# Allegro board PSU-Hirose-6Layers-Sep1.brd (continued)
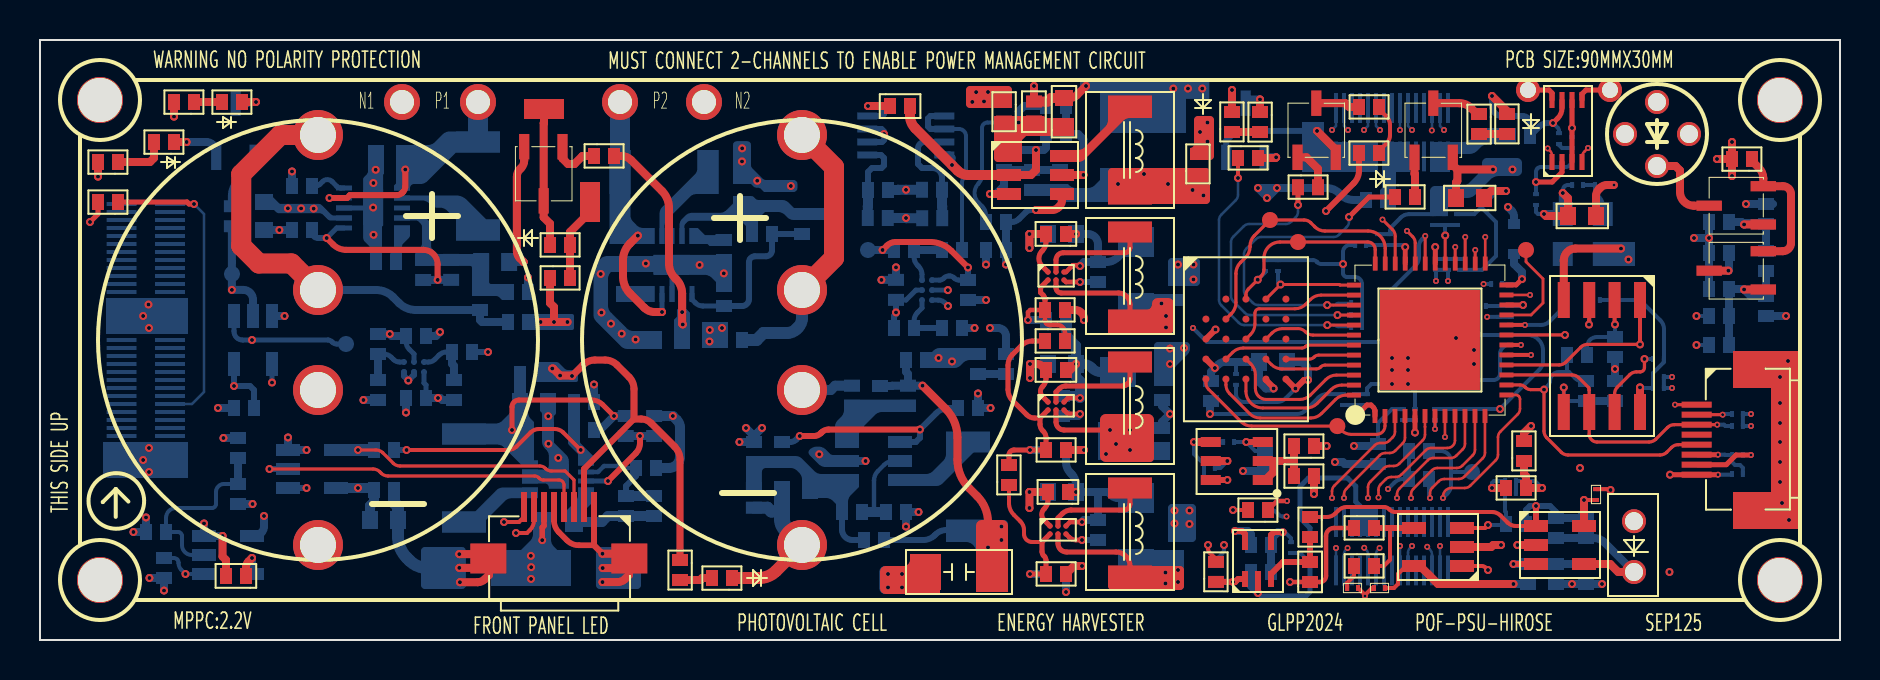
[diagram p0: board, top side]
## Routing (per net, layer and track width the routed paths; a pad name or vN(x,y) marks a point on that pad's centre or on a via; arc(x,y) is an arc through that point) (continued)
N824564: length 2.7
  BOTTOM w0.25: U18.A1 17.98,13.9 arc(17.81,13.93) 17.68,14.02 17.56,14.14 arc(17.38,14.26) 17.18,14.3 R76.2
  BOTTOM w0.4: R76.2 C54.2
N824724: length 3
  BOTTOM w0.25: U18.C1 19.43,13.9 arc(19.6,13.93) 19.74,14.03 19.95,14.24 arc(20.13,14.36) 20.33,14.4 R79.1
  BOTTOM w0.4: R85.1 20.7,13.71 20.6,13.81 R79.1
N834143: length 1.6
  TOP w0.4: R27.2 33.01,3 33.11,3.1 D7.2
N943794: length 17
  TOP w0.2: U10.1 73.8,5.7 arc(73.57,5.75) 73.37,5.88 73.03,6.22 arc(72.83,6.35) 72.6,6.4 67.76,6.4 arc(67.61,6.43) 67.49,6.51 67.46,6.54 arc(67.34,6.62) 67.19,6.65 65.34,6.65 arc(65.11,6.6) 64.91,6.47 64.77,6.33 arc(64.57,6.2) 64.34,6.15 R25.1
  TOP w0.3: U10.1 v1(74.8,6.7)
  BOTTOM w0.3: C72.2 74.3,6.5 74.5,6.7 v1(74.8,6.7) 75.5,6.7 75.8,6.4 C73.1
  BOTTOM w0.4: R119.1 C73.1
N943802: length 7.2
  TOP w0.4: U10.4 78.51,3.8 78.91,3.4 PD1.1
  BOTTOM w0.4: C73.2 R119.2 77.69,5.1 arc(77.98,5.04) 78.22,4.88 PD1.1
N950397: length 4.2
  TOP w0.4: v1(75.1,7.6) R22.2 74.3,8.19 74.2,8.29 R19.1
  BOTTOM w0.2: R113.2 73.8,7.36 C65.1 74.75,7.95 v1(75.1,7.6)
N953867: length 17.1
  TOP w0.2: U11.1 72.08,3.7 arc(72.19,3.68) 72.29,3.61 v1(72.4,3.5)
  TOP w0.22: R24.1 64.7,5.6 arc(64.42,5.48) 64.3,5.2 64.3,3.2 arc(64.21,2.99) 64,2.9 C13.1 v1(62.5,2.9)
  SIG1 w0.22: v1(72.4,3.5) 67.86,3.5 arc(67.71,3.47) 67.59,3.39 67.21,3.01 arc(67.09,2.93) 66.94,2.9 v1(62.5,2.9)
N953891: length 4.5
  TOP w0.2: R26.2 67.19,3.7 67.5,4.01 67.5,5.6
  TOP w0.3: R24.2 U11.4
N953940: length 1.2
  TOP w0.2: C16.2 65.36,2.86 65.7,3.2 R26.1
N957540: length 3.7
  TOP w0.3: U12.3 61.55,3.3 62.15,3.9 C13.2 R25.2
N961187: length 4.1
  TOP w0.3: v1(62.14,5.39) 62.12,5.4 61.7,5.4 61.55,5.25 U12.4
  BOTTOM w0.2: C76.2 62.55,5.09 62.25,5.39 v1(62.14,5.39)
  BOTTOM w0.4: v1(62.14,5.39) 61.89,5.39 61.55,5.05 R122.1 R126.2
N1037075: length 2.7
  TOP w0.4: D4.2 5.7,24.1 5.5,23.9 R9.1
N1120293: length 4.2
  TOP w0.4: LD1.2 81.78,23.7 82,23.48 82,22.4 arc(82.2,21.92) 82.69,21.71 Q4.3
N1120309: length 7
  TOP w0.4: Q5.1 v1(85.2,17.53)
  BOTTOM w0.4: R53.1 R66.1 85.53,17.2 v1(85.2,17.53) 85.18,17.55 R58.2 R70.2 R77.2
N1120313: length 1.9
  TOP w0.4: Q5.3 v1(84.42,18.46)
  BOTTOM w0.4: v1(84.42,18.46) 84.45,18.49 R52.2
N1120345: length 4.3
  TOP w0.4: v1(85.2,20.78) Q4.1
  BOTTOM w0.4: R45.2 85.08,20.9 v1(85.2,20.78) 85.28,20.85 86.25,20.85 R39.1 R53.2
N1120473: length 7.2
  TOP w0.4: Q5.2 87.14,19.44 arc(87.43,19.56) 87.55,19.85 87.55,22.29 arc(87.43,22.57) 87.15,22.69 Q4.2 86.17,23.08 arc(86.11,23.36) 85.95,23.6 85.6,23.95 R8.1
N1125946: length 2.1
  TOP w0.24: 68.75,11.2 v1(68.75,10.37)
  BOTTOM w0.2: v1(68.75,10.37) 68.75,10.37 C61.1 FB5.1
N1126010: length 2.6
  TOP w0.24: U5.30 v1(69.76,19.65)
  BOTTOM w0.2: FB2.1 C37.1 C38.1 69.8,19.61 v1(69.76,19.65)
N1126482: length 3.1
  TOP w0.15: U5.29 v1(70.26,20.23)
  BOTTOM w0.2: C27.1 R43.1 ; C27.1 C28.1 ; C27.1 70.25,20.24 v1(70.26,20.23)
N1126654: length 3.4
  TOP w0.24: v1(74.1,18.05) 73.81,17.75 U5.24
  BOTTOM w0.2: v1(74.1,18.05) 73.85,17.8 C41.1
  BOTTOM w0.4: v1(74.1,18.05) 74.1,18.4 73.7,18.8 D8.1
N1128601: length 6.8
  TOP w0.3: U4.D1 v1(58.74,13.6) ; U4.E4 61.3,13 61.68,12.62 v1(61.68,12.58)
  BOTTOM w0.2: C52.1 59.8,13.9
  BOTTOM w0.4: L8.1 58.55,13.41 v1(58.74,13.6) 58.92,13.78 arc(59.06,13.87) 59.22,13.9 C49.1 60.95,12.92 61.29,12.58 v1(61.68,12.58)
N1140972: length 9.6
  BOTTOM w0.2: U22.2 7.59,4.25 arc(7.24,4.39) 7.1,4.74 7.1,5.2 arc(7.04,5.34) 6.9,5.4 C75.2 6.3,6.1 arc(6.45,6.45) 6.8,6.6 8.6,6.6 arc(8.74,6.66) 8.8,6.8 8.8,7.4 arc(8.92,7.68) 9.2,7.8 R114.2
  BOTTOM w0.4: R102.1 R114.2
N1147788: length 1.4
  TOP w0.4: D2.1 R4.2
N1147792: length 2.7
  TOP w0.2: R2.2 66.95,26.55 67.32,26.18 arc(67.45,25.98) 67.5,25.75 67.5,25.25 arc(67.45,25.02) 67.32,24.82 66.95,24.45 D5.1
N1147796: length 1.4
  TOP w0.4: R5.2 D3.1
N1147848: length 1.4
  TOP w0.4: R4.1 v1(61,27.03)
  BOTTOM w0.4: v1(61,27.03) 60.47,27.03 60.28,26.84
N1147852: length 2.2
  TOP w0.4: Q1.3 65.27,26.84 65.46,26.65 R2.1
N1147856: length 2.5
  TOP w0.4: R5.1 71.85,26.3 71.55,26.6 arc(71.28,26.78) 70.97,26.84 Q2.3
N1147930: length 1.5
  TOP w0.4: R7.2 61.77,24.1 v1(61.81,24.13)
  BOTTOM w0.4: Q6.1 v1(61.81,24.13)
N1147938: length 2.2
  TOP w0.4: R11.2 63.9,23.56 63.32,24.13 Q1.1
N1147946: length 2
  TOP w0.4: Q2.1 68.73,23.31 68.75,23.28 R12.2
N1161020: length 73.8
  SIG1 w0.127: v2(67.4,7.55) 67.26,7.69 arc(67.14,7.77) 66.99,7.8 61.56,7.8 arc(61.41,7.77) 61.29,7.69 61.01,7.41 arc(60.93,7.29) 60.9,7.14 60.9,6.2 arc(60.84,6.06) 60.7,6 58.76,6 arc(58.61,5.97) 58.49,5.89 57.61,5.01 arc(57.49,4.93) 57.34,4.9 56.4,4.9 arc(56.25,4.93) 56.13,5.01 55.74,5.4 arc(55.71,5.44) 55.7,5.49 arc(55.67,5.64) 55.59,5.76 54.86,6.49 arc(54.74,6.57) 54.59,6.6 51.16,6.6 arc(51.01,6.63) 50.89,6.71 50.61,6.99 arc(50.53,7.11) 50.5,7.26 50.5,7.84 arc(50.47,7.99) 50.39,8.11 50.16,8.34 arc(50.04,8.42) 49.89,8.45 47.86,8.45 arc(47.71,8.42) 47.59,8.34 46.51,7.26 arc(46.39,7.18) 46.24,7.15 43.21,7.15 arc(43.06,7.12) 42.94,7.04 42.89,6.99 arc(42.85,6.96) 42.8,6.95 36.64,6.95 arc(36.23,6.87) 35.89,6.64 35.31,6.06 arc(35.19,5.98) 35.04,5.95 25.36,5.95 arc(25.21,5.92) 25.09,5.84 23.76,4.51 arc(23.64,4.43) 23.49,4.4 22.71,4.4 arc(22.56,4.43) 22.44,4.51 21.16,5.79 arc(21.04,5.87) 20.89,5.9 19.41,5.9 arc(19.26,5.87) 19.14,5.79 18.76,5.41 arc(18.68,5.29) 18.65,5.14 18.65,3.56 arc(18.62,3.41) 18.54,3.29 18.11,2.86 arc(17.99,2.78) 17.84,2.75 8.81,2.75 arc(8.66,2.78) 8.54,2.86 8.21,3.19 arc(8.09,3.27) 7.94,3.3 v1(7.27,3.3)
  BOTTOM w0.2: U22.1 v1(7.27,3.3) 7.07,3.5 arc(6.96,3.66) 6.93,3.85 6.93,3.88 arc(6.91,3.96) 6.87,4.02 arc(6.78,4.08) 6.68,4.1 R124.1 ; v2(67.4,7.55) 67.72,7.87 arc(67.92,8) 68.15,8.05 R111.1 R105.1
N1296793: length 4.8
  TOP w0.3: U10.3 v1(73.67,3.8)
  BOTTOM w0.4: v1(73.67,3.8) R129.1 C80.2 R127.2
N1325635: length 3.9
  TOP w0.2: U11.3 72.25,5.6 v1(72.4,5.75)
  BOTTOM w0.2: v1(72.4,5.75) 73.25,5.75 C72.1 73.3,6.39 73.25,6.44 R113.1
N1346126: length 2.9
  BOTTOM w0.4: Q7.1 10.72,23.75 9.9,22.93 arc(9.67,22.59) 9.6,22.2 R40.1
N1347937: length 1.7
  TOP w0.4: D1.1 v1(10.8,26.9)
  BOTTOM w0.4: Q7.3 10.35,26.84 10.41,26.9 v1(10.8,26.9)
N1347941: length 1.4
  TOP w0.4: R1.1 D1.2
N1493508: length 6.2
  TOP w0.22: v1(49.4,16) 49.4,16.39 49.51,16.5 R15.1 50.25,15.99 arc(50.27,15.91) 50.31,15.84 50.34,15.81 arc(50.41,15.77) 50.49,15.75 50.87,15.75 arc(51.14,15.64) 51.25,15.37 R16.2
  TOP w0.25: R15.1 50.25,17.02 arc(50.23,17.14) 50.16,17.25 50.03,17.37 50.03,17.63 U3.B1
  BOTTOM w0.4: R71.2 v1(49.4,16)
N1495908: length 5.4
  TOP w0.25: U3.A2 50.8,19 arc(50.91,19.26) 51.16,19.36 54.24,19.36 arc(54.42,19.44) 54.5,19.62 L2.1
N1495915: length 5.3
  TOP w0.25: U3.B2 50.8,17.61 arc(50.88,17.43) 51.06,17.35 53.93,17.35 arc(54.33,17.18) 54.5,16.78 L2.2
  vias: v1(56.07,16.83) v1(56.3,16.2) v1(56.3,15.63)
N1496954: length 1.7
  TOP w0.23: v1(52,17.9) 51.3,17.9 U3.B3
  BOTTOM w0.3: v1(52,17.9) R57.2
N1504028: length 5.3
  TOP w0.25: L3.1 54.5,13.06 arc(54.48,12.94) 54.4,12.83 54.37,12.8 arc(54.26,12.72) 54.14,12.7 51.29,12.7 arc(51.11,12.67) 50.97,12.57 50.8,12.4 U7.A2
N1504040: length 5.6
  TOP w0.127: v1(54.5,9.5) 54.5,9.4
  TOP w0.25: v1(54.5,9.5) v1(54.5,10.5) v1(53.5,10.5) 51.2,10.5 arc(50.92,10.62) 50.8,10.9 U7.B2
  vias: v1(53.3,9.3) v1(53.8,9.8)
N1504216: length 11.6
  TOP w0.25: 50,11.1 50,10.79 arc(50.03,10.61) 50.13,10.47 50.17,10.43 arc(50.27,10.29) 50.3,10.11 R18.1 v1(49.5,9.5) 48.7,9.5 arc(48.52,9.43) 48.45,9.25 R20.2 ; 50,11.1 49.73,11.1 arc(49.52,11.14) 49.34,11.26 48.62,11.98 arc(48.46,12.22) 48.4,12.51 48.4,13.74 arc(48.46,14.03) 48.62,14.27 49.08,14.73 arc(49.32,14.89) 49.61,14.95 R16.1 ; 50,11.1 U7.B1
  BOTTOM w0.4: R18.1 v1(49.5,9.5)
N1504224: length 1.8
  TOP w0.23: v1(52,11.3) 51.52,11.3 arc(51.41,11.32) 51.32,11.38 U7.B3
  BOTTOM w0.4: R92.2 51.9,11.2 v1(52,11.3)
N1511461: length 5.1
  TOP w0.25: L4.1 54.5,6.8 arc(54.41,6.59) 54.2,6.5 51.56,6.5 arc(51.32,6.45) 51.12,6.32 50.9,6.1 U9.A2
N1511469: length 5.2
  TOP w0.25: U9.B2 50.9,4.82 arc(51.02,4.52) 51.33,4.4 53.8,4.4 arc(54.29,4.19) 54.5,3.7 L4.2
  vias: v1(56.27,3.37) v1(56.27,2.83) v1(56.9,3.5) v1(56.9,2.9)
N1511693: length 7.6
  TOP w0.2: 50.1,4.9 49.6,4.9 arc(49.32,5.02) 49.2,5.3 49.2,5.5 arc(49.15,5.73) 49.02,5.93 48.7,6.25 arc(48.51,6.53) 48.45,6.85 R20.1
  TOP w0.25: v1(49.5,3.3) R29.1 50.3,3.98 arc(50.28,4.09) 50.22,4.18 50.18,4.22 arc(50.12,4.31) 50.1,4.42 50.1,4.9 U9.B1
  BOTTOM w0.4: R29.1 v1(49.5,3.3)
N1511701: length 1.7
  TOP w0.23: U9.B3 51.47,5.13 arc(51.61,5.03) 51.79,5 v1(52.1,5)
  BOTTOM w0.3: v1(52.1,5) R120.2
N1521910: length 2.3
  BOTTOM w0.3: R121.2 40.62,5 arc(40.25,5.15) 40.1,5.52 R118.2
N1522062: length 10.9
  TOP w0.3: v1(44,10.52) 39.42,10.52 arc(39.24,10.49) 39.08,10.38 39.04,10.34 arc(38.88,10.24) 38.7,10.2 v1(37.99,10.2)
  BOTTOM w0.3: R106.1 37.51,9.9 arc(37.67,9.93) 37.82,10.03 v1(37.99,10.2) ; R93.2 45.45,11.6 arc(45.1,11.53) 44.81,11.34 v1(44,10.52) 44,10.11 43.79,9.9 U19.4
N1522150: length 4.6
  BOTTOM w0.22: U19.5 42.67,8.95 arc(42.42,8.9) 42.21,8.76 41.89,8.44 arc(41.75,8.23) 41.7,7.98 41.7,6.4
  BOTTOM w0.5: R117.2 R118.1
N1524626: length 1.4
  BOTTOM w0.4: R83.2 D9.2
N1528431: length 9
  BOTTOM w0.2: R44.2 47.3,21.25 arc(47.25,21.48) 47.12,21.68 46.92,21.88 arc(46.73,22.35) 46.92,22.82 arc(47.05,23.02) 47.1,23.25 47.1,25.6 arc(47.18,25.79) 47.37,25.87 v1(48.93,25.87)
  BOTTOM w0.4: v1(48.93,25.87) 48.93,26.43 49.2,26.7 R30.2
N1528491: length 5.4
  TOP w0.4: U2.3 v1(47.5,22.3)
  BOTTOM w0.4: C22.1 R33.2 R32.2 48.2,22.7 47.8,22.3 v1(47.5,22.3)
N1528623: length 30.2
  TOP w0.4: v1(49.8,21.5) 50.61,21.5 arc(50.78,21.53) 50.92,21.63 50.97,21.68 arc(51.07,21.82) 51.1,21.99 U2.4
  SIG1 w0.2: v2(57.65,15.6) 57.65,16.45 arc(57.6,16.68) 57.47,16.88 56.68,17.67 arc(56.48,17.8) 56.25,17.85 55.05,17.85 arc(54.82,17.8) 54.62,17.67 54.18,17.23 arc(53.98,17.1) 53.75,17.05 49.5,17.05 arc(49.27,17.1) 49.07,17.23 48.48,17.82 arc(48.35,18.02) 48.3,18.25 v1(48.3,18.77)
  BOTTOM w0.2: R67.1 R68.1 67.45,15.41 66.94,14.9 58.35,14.9 v2(57.65,15.6)
  BOTTOM w0.3: v1(49.8,21.5) 49.57,21.5 arc(49.41,21.47) 49.28,21.38 48.96,21.06 arc(48.78,20.94) 48.58,20.9 R44.1
  BOTTOM w0.4: v1(48.3,18.77) R50.2 R44.1
N1528651: length 5.2
  TOP w0.4: v1(52.17,23.25) 52.17,23.25 U2.5
  BOTTOM w0.4: R30.1 R31.2 51.9,25.3 52.17,25.03 v1(52.17,23.25)
N1533062: length 2.4
  TOP w0.3: R28.1 v1(59.65,2.91) 59.76,2.91 59.91,3.05 U12.1
  BOTTOM w0.3: v1(59.65,2.91) 59.65,2.9 R125.1
N1559286: length 4.3
  TOP w0.4: 61.67,8.95 62.7,8.95 ; 61.67,8.95 61.67,8.4 61.27,8 U8.1 ; 61.67,8.95 U8.2 ; 62.7,8.95 R21.2 ; 62.7,8.95 R17.2
N1560195: length 1.4
  TOP w0.3: U8.6 v1(59.37,8)
  BOTTOM w0.2: R112.2 v1(59.37,8)
N1632215: length 4.2
  TOP w0.4: R14.2 D6.2 26.5,20.4 27.5,21.4 TP4.1
N1632252: length 6.9
  TOP w0.4: TP3.1 25.2,25.86 25.18,25.84 25.18,21.13 25.5,20.82 D6.1
N1633088: length 2.4
  TOP w0.4: R6.1 27.12,24.2 26.72,23.8 26.4,23.8 26.12,24.08 Q3.1
N1642129: length 2.2
  BOTTOM w0.2: Y1.1 78.14,21.71 arc(78.09,21.94) 77.96,22.14 77.88,22.22 arc(77.78,22.36) 77.75,22.53 R34.1 R35.1
N3312581: length 1.6
  TOP w0.25: U1.8 75.6,27.35 75.45,27.5 TP1.1
N3312603: length 1.8
  TOP w0.25: U1.5 77.1,27.3 77.3,27.5 TP2.1

## Copper pours and planes (outline as drawn; the poured copper is in the pictures)
GND on TOP (solid shape): 87.9,5.55 84.65,5.55 84.65,7.4 86.55,7.4 86.55,12.6 84.65,12.6 84.65,14.45 87.9,14.45
GND on TOP (solid shape): 45,2.3 42.3,2.3 42.09,2.39 42,2.6 42,3.4 42.09,3.61 42.3,3.7 43.2,3.7 43.41,3.79 43.5,4 43.5,4.3 45,4.3
GND on BOTTOM (solid shape): 7.4,8.1 3.15,8.1 3.15,9.9 7.4,9.9
GND on BOTTOM (solid shape): 66.9,5.2 65.5,5.2 65.5,6.6 66.9,6.6
GND on BOTTOM (solid shape): 79.75,18.7 77.65,18.7 77.65,19.9 79.75,19.9
GND on BOTTOM (solid shape): 64.2,24.9 66.9,24.9 66.9,23.4 63.1,23.4 63.1,25.9 64.2,25.9
GND on BOTTOM (solid shape): 58.47,27.06 57.3,27.06 57.3,25.35 53,25.35 53,27.4 52,27.4 52,27.9 58.47,27.9
GND on BOTTOM (solid shape): 17.2,23.31 17.16,23.27 17.16,20.72 17.1,20.67 17.1,18.5 16.5,18.5 16.5,19.56 16.48,19.65 16.43,19.73 16.23,19.93 16.17,20.01 16.16,20.1 16.16,21.48 14.8,21.48 14.8,21.73 16.16,21.73 16.16,23 16.17,23.09 16.23,23.17 16.33,23.27 16.38,23.35 16.4,23.45 16.4,24.75 17.2,24.75
GND on BOTTOM (solid shape): 45,2.3 42.26,2.3 42.05,2.39 41.96,2.6 41.96,3.4 42.05,3.61 42.26,3.7 43.2,3.7 43.41,3.79 43.5,4 43.5,4.3 45,4.3
GND on BOTTOM (solid shape): 35.35,24.94 35.49,24.89 35.55,24.74 35.55,23.75 35.57,23.66 35.62,23.58 36.13,23.07 36.21,23.02 36.3,23 37,23 37,22.4 36.2,22.4 36.06,22.54 35.98,22.6 35.88,22.62 35.84,22.62 35.74,22.63 35.66,22.69 35.55,22.8 34.65,22.8 34.65,24.74 34.71,24.89 34.85,24.94
GND on BOTTOM (solid shape): 25.8,11.36 25.79,11.31 25.76,11.27 25.73,11.24 25.7,11.2 25.69,11.15 25.69,10.91 25.7,10.9 25.7,9.87 26.3,9.26 26.41,9.11 26.45,8.92 26.45,7.58 25.45,7.58 25.45,7.62 25.39,7.77 25.25,7.82 24.1,7.82 24.1,8.52 25.25,8.52 25.39,8.58 25.45,8.73 25.45,9.18 25.41,9.37 25.3,9.52 25.24,9.58 25.14,9.74 25.1,9.93 25.1,11.3 25.09,11.35 25.06,11.39 25,11.45 25,12.35 25.8,12.35
GND on BOTTOM (solid shape): 34.6,17.4 33.8,17.4 33.8,17.89 33.58,18.11 33.42,18.22 33.24,18.26 31.73,18.26 31.73,16.9 31.48,16.9 31.48,18.26 30.68,18.26 30.68,18.4 28.55,18.4 28.54,18.39 28.44,18.23 28.4,18.05 28.4,16.72 28.44,16.54 28.54,16.38 29.33,15.59 29.49,15.49 29.67,15.45 31.1,15.45 31.1,14.55 29.39,14.55 29.2,14.59 29.05,14.69 27.81,15.93 27.71,16.08 27.67,16.27 27.67,18.5 27.71,18.69 27.81,18.84 28.03,19.06 28.18,19.16 28.37,19.2 30.68,19.2 30.68,19.26 33.8,19.26 33.8,19.3 34.6,19.3
GND on GND: 4.99,27.52 4.8,28 85.2,28 85.04,27.55 84.99,27.08 85.6,25.6 87.08,24.99 87.55,25.04 88,25.2 88,4.8 87.54,4.97 87.06,5.02 85.59,4.41 84.98,2.94 85.03,2.46 85.2,2 80.95,2 80.95,6.9 66.7,6.9 66.4,7.2 64.6,7.2 64.3,6.9 63.4,6.9 63.4,2 4.8,2 4.48,4.48 2,4.8 2,25.2 2.48,25.01 3,24.94 4.46,25.54 5.06,27 ; 1 cut-out
GND on GND2: 1.5,28.5 88.5,28.5 88.5,1.5 80.9,1.5 80.9,7 63.4,7 63.4,1.5 1.5,1.5 ; 1 cut-out
P1V8ADJ_PRE on BOTTOM (solid shape): 58,23.6 58.35,23.45 58.5,23.1 58.5,22.4 58.35,22.05 58,21.9 51.1,21.9 50.92,21.94 50.76,22.04 50.6,22.2 49.2,22.2 49.2,22.8 51.4,22.8 51.46,22.74 51.62,22.64 51.8,22.6 52.4,22.6 52.58,22.64 52.74,22.74 53,23 53,23.6
P1V80 on VCC: 63.27,18.6 64.73,18.6 65,18.33 65,17.27 61.33,13.6 59.5,13.6 59.35,13.57 59.22,13.48 58.92,13.18 58.83,13.05 58.8,12.9 58.8,11.77 58.73,11.7 58.07,11.7 56.2,13.57 56.2,14.8 60.9,14.8 61.05,14.83 61.18,14.92 62.98,16.72 63.07,16.85 63.1,17 63.1,18.43
P1V80 on VCC: 76.17,28.5 88.5,28.5 88.5,1.5 82,1.5 82,7.2 81.97,7.35 81.88,7.48 77.88,11.48 77.75,11.57 77.6,11.6 72.3,11.6 74.2,13.5 74.18,13.52 74.18,13.92 74.28,14.02 74.37,14.15 74.4,14.3 74.4,17.53 75.48,18.62 75.57,18.75 75.6,18.9 75.6,22.7 75.57,22.85 75.48,22.98 74.48,23.98 74.35,24.07 74.2,24.1 72.87,24.1 73.47,24.7 75.9,24.7 76.05,24.73 76.18,24.82 76.28,24.92 76.37,25.05 76.4,25.2 76.4,28.1 76.37,28.25 76.28,28.38
P2V8 on VCC: 59.4,28.3 59.39,28.4 59.35,28.5 75.03,28.5 75.6,27.93 75.6,25.5 73.3,25.5 73.15,25.47 73.02,25.38 71.62,23.98 71.53,23.85 71.5,23.7 71.5,22 71.53,21.85 71.62,21.72 71.82,21.52 71.95,21.43 72.1,21.4 73.2,21.4 73.2,21.3 71.17,21.3 70.98,21.48 70.85,21.57 70.7,21.6 61.6,21.6 61.45,21.57 61.32,21.48 57.83,18 57.57,18 56.6,18.97 56.6,21.73 59.28,24.42 59.37,24.55 59.4,24.7
P2V9ADJ on VCC: 49.4,28.5 58.65,28.5 58.61,28.4 58.6,28.3 58.6,24.87 55.92,22.18 55.83,22.05 55.8,21.9 55.8,18.8 55.83,18.65 55.92,18.52 57.12,17.32 57.25,17.23 57.4,17.2 58,17.2 58.15,17.23 58.28,17.32 61.77,20.8 67.9,20.8 67.9,16.07 64.82,12.98 64.73,12.85 64.7,12.7 64.7,9.9 64.73,9.75 64.82,9.62 64.93,9.5 64.27,9.5 61.9,11.87 61.9,13.03 65.68,16.82 65.77,16.95 65.8,17.1 65.8,18.5 65.77,18.65 65.68,18.78 65.18,19.28 65.05,19.37 64.9,19.4 63.1,19.4 62.95,19.37 62.82,19.28 62.42,18.88 62.33,18.75 62.3,18.6 62.3,17.17 60.73,15.6 56,15.6 55.85,15.57 55.72,15.48 55.52,15.28 55.43,15.15 55.4,15 55.4,13.4 55.43,13.25 55.52,13.12 56.93,11.7 54.1,11.7 53.95,11.67 53.82,11.58 53.5,11.27 53.5,16.2 53.47,16.35 53.38,16.48 53.28,16.58 53.15,16.67 53,16.7 52.97,16.7 50.9,18.77 50.9,23.2 50.87,23.35 50.78,23.48 49.4,24.87
P5V0 on BOTTOM (solid shape): 7.4,15.3 3.3,15.3 3.3,17.1 7.4,17.1
P5V0 on BOTTOM (solid shape): 25.55,5.02 25.59,4.83 25.69,4.68 25.87,4.5 26.55,4.5 26.55,2.7 22.55,2.7 22.55,4.5 24.05,4.5 24.51,4.96 24.61,5.12 24.65,5.3 24.65,6.4 25.55,6.4
P5V0 on VCC: 40.9,28.5 48.6,28.5 48.6,24.7 48.63,24.55 48.72,24.42 50.1,23.03 50.1,18.6 50.13,18.45 50.22,18.32 52.52,16.02 52.6,15.95 52.7,15.91 52.7,10.46 52.6,10.2 52.7,9.94 52.7,1.5 1.5,1.5 1.5,28.5 40.1,28.5 40.1,24.67 38.93,23.5 35.77,23.5 35.08,24.18 34.95,24.27 34.8,24.3 26,24.3 25.85,24.27 25.72,24.18 24.02,22.48 23.93,22.35 23.9,22.2 23.9,19.2 18.3,19.2 18.15,19.17 18.02,19.08 15.92,16.98 15.83,16.85 15.8,16.7 15.8,11 15.83,10.85 15.92,10.72 16.62,10.02 16.75,9.93 16.9,9.9 20.8,9.9 20.95,9.93 21.08,10.02 22.87,11.8 33,11.8 33.15,11.83 33.28,11.92 34.77,13.4 40.2,13.4 40.35,13.43 40.48,13.52 42.18,15.22 42.27,15.35 42.3,15.5 42.3,18.23 44.18,20.12 44.27,20.25 44.3,20.4 44.3,21.4 44.27,21.55 44.18,21.68 43.78,22.08 43.65,22.17 43.5,22.2 41.2,22.2 41.05,22.17 40.92,22.08 38.23,19.4 35.1,19.4 34.95,19.37 34.82,19.28 32.52,16.98 32.43,16.85 32.4,16.7 32.4,15.57 32.33,15.5 28.47,15.5 27.08,16.88 26.95,16.97 26.8,17 24.1,17 23.82,16.88 23.7,16.6 23.7,13.4 23.73,13.25 23.82,13.12 24.33,12.6 22.7,12.6 22.55,12.57 22.42,12.48 20.63,10.7 17.07,10.7 16.6,11.17 16.6,16.53 18.47,18.4 24.3,18.4 24.58,18.52 24.7,18.8 24.7,22.03 26.17,23.5 34.63,23.5 35.32,22.82 35.45,22.73 35.6,22.7 39.1,22.7 39.25,22.73 39.38,22.82 40.78,24.22 40.87,24.35 40.9,24.5 ; 11 cut-outs
LDO22-1 on BOTTOM (solid shape): 11.65,22.14 11.95,21.84 11.99,21.81 12.04,21.8 13.93,21.8 14.02,21.79 14.1,21.73 14.54,21.3 14.61,21.24 14.71,21.23 15.6,21.23 15.6,20.98 14.54,20.98 14.45,20.99 14.37,21.05 14.15,21.27 14.07,21.32 13.98,21.34 11.96,21.34 11.87,21.36 11.79,21.41 11.7,21.5 10.75,21.5 10.75,22.3 11.65,22.3
LDO22-2 on BOTTOM (solid shape): 32.23,16.64 32.5,16.36 32.5,14.55 31.7,14.55 31.7,16.01 31.85,16.16 31.85,16.51 31.98,16.64 31.98,17.7 32.23,17.7
P5033 on BOTTOM (solid shape): 47.3,14 46.5,14 46.32,13.96 46.16,13.86 46.04,13.74 45.88,13.64 45.7,13.6 44,13.6 44,14.4 44.6,14.4 44.66,14.46 44.82,14.56 45,14.6 47.3,14.6
P5033_PRE on BOTTOM (solid shape): 48.2,6 48.34,5.94 48.4,5.8 48.4,2.4 46.8,2.4 46.8,4.4 46.76,4.58 46.66,4.74 46.64,4.76 46.48,4.86 46.3,4.9 45.3,4.9 45.3,6
VCAP on BOTTOM (solid shape): 34.4,14.6 33.1,14.6 33.1,15.9 34.4,15.9
VCAP on VCC: 41.37,21.4 43.33,21.4 43.5,21.23 43.5,20.57 41.62,18.68 41.53,18.55 41.5,18.4 41.5,15.67 40.03,14.2 34.6,14.2 34.45,14.17 34.32,14.08 32.83,12.6 25.47,12.6 24.5,13.57 24.5,16.2 26.63,16.2 28.02,14.82 28.15,14.73 28.3,14.7 32.5,14.7 32.65,14.73 32.78,14.82 33.08,15.12 33.17,15.25 33.2,15.4 33.2,16.53 35.27,18.6 38.4,18.6 38.55,18.63 38.68,18.72
VCAP1 on BOTTOM (solid shape): 18.98,21.23 19.16,21.19 19.32,21.08 19.41,20.99 19.52,20.83 19.55,20.64 19.55,19.71 19.57,19.61 19.63,19.54 19.79,19.37 19.87,19.32 19.96,19.3 22.45,19.3 22.45,17.9 22.48,17.83 22.55,17.8 23.7,17.8 23.7,17 23.1,17 22.97,17.13 22.89,17.18 22.8,17.2 21.6,17.2 21.6,18.61 21.57,18.68 21.5,18.7 18.75,18.7 18.75,19.28 18.77,19.37 18.83,19.45 19.03,19.65 19.08,19.73 19.1,19.82 19.1,20.65 19.08,20.75 19.03,20.82 18.95,20.9 18.87,20.96 18.78,20.98 17.7,20.98 17.7,21.23
VCAP2 on BOTTOM (solid shape): 35.54,22.2 35.63,22.18 35.71,22.13 35.77,22.07 35.84,22.02 35.94,22 37.1,22 37.28,21.96 37.44,21.86 37.7,21.6 38.5,21.6 38.5,21 37.7,21 37.51,21.04 37.36,21.14 37.24,21.26 37.08,21.36 36.9,21.4 36.25,21.4 36.04,21.19 35.94,21.03 35.9,20.85 35.9,19.9 35.3,19.9 35.3,20.7 35.18,20.82 35.02,20.92 34.84,20.96 32.52,20.96 32.43,20.94 32.35,20.89 32.29,20.83 32.24,20.75 32.22,20.66 32.22,20.61 32.23,20.6 32.23,19.8 31.98,19.8 31.98,20.73 32.01,20.91 32.12,21.07 32.26,21.22 32.42,21.32 32.6,21.36 33.99,21.36 34.17,21.4 34.33,21.5 34.65,21.82 34.65,22.2
N478267 on BOTTOM (solid shape): 23,24.38 20.8,24.38 19.37,22.94 19.21,22.84 19.02,22.8 18.7,22.8 18.56,22.74 18.5,22.6 18.5,22.48 17.7,22.48 17.7,22.73 17.8,22.82 17.8,24.75 19.4,24.75 19.59,24.79 19.74,24.89 20.14,25.28 20.29,25.39 20.48,25.43 23,25.43
N478271 on BOTTOM (solid shape): 20.81,22.23 21.09,22.17 21.33,22.01 22.31,21.02 23,21.02 23,19.98 20.8,19.98 20.8,21.02 20.35,21.47 20.2,21.58 20.01,21.61 19.87,21.61 19.69,21.65 19.53,21.75 19.45,21.83 19.3,21.94 19.11,21.98 17.7,21.98 17.7,22.22
N478385 on BOTTOM (solid shape): 18.5,20.26 18.48,20.17 18.43,20.09 18.17,19.83 18.12,19.75 18.1,19.66 18.1,18.5 17.5,18.5 17.5,19.32 17.63,19.45 17.68,19.53 17.7,19.62 17.7,20.73 18.5,20.73
N485107 on BOTTOM (solid shape): 29.52,21.24 29.56,21.06 29.67,20.9 29.83,20.74 29.99,20.64 30.17,20.6 30.73,20.6 30.73,19.8 28.48,19.8 28.48,24.5 29.52,24.5
N485115 on BOTTOM (solid shape): 33.92,22.3 32.84,22.3 32.65,22.26 32.5,22.16 31.37,21.03 31.26,20.87 31.23,20.69 31.23,19.8 30.98,19.8 30.98,21.31 31.01,21.5 31.12,21.65 32.73,23.27 32.84,23.43 32.88,23.61 32.88,24.5 33.92,24.5
N485445 on BOTTOM (solid shape): 30.73,16.9 28.8,16.9 28.8,17.7 30.73,17.7
N485483 on BOTTOM (solid shape): 33.25,20.25 33.75,20.25 33.8,20.3 34.6,20.3 34.6,19.7 33.47,19.7 33.37,19.8 32.48,19.8 32.48,20.6 32.9,20.6
N813698 on BOTTOM (solid shape): 24.4,11.4 24.44,11.22 24.54,11.06 24.7,10.9 24.7,8.98 24.9,8.98 24.9,8.73 24.1,8.73 23.19,9.63 23.03,9.74 22.85,9.77 20.1,9.77 20.1,10.82 22.77,10.82 22.96,10.86 23.12,10.97 23.6,11.45 23.6,12.35 24.4,12.35
N813706 on BOTTOM (solid shape): 24.9,7.09 23.59,7.09 23.41,7.05 23.25,6.95 22.3,6 22.3,5.38 20.1,5.38 20.1,6.43 21.76,6.43 22.81,7.48 22.97,7.59 23.16,7.62 24.9,7.62
N813852 on BOTTOM (solid shape): 27.7,7.15 27.66,6.97 27.56,6.81 27.15,6.4 27.15,5.4 26.25,5.4 26.25,6.4 26.76,6.91 26.86,7.07 26.9,7.25 26.9,7.62 27.7,7.62
N813992 on BOTTOM (solid shape): 27,9.91 27.01,9.86 27.04,9.82 27.66,9.2 27.69,9.16 27.7,9.11 27.7,8.73 26.9,8.73 26.9,9.25 26.89,9.3 26.86,9.34 26.44,9.77 26.41,9.81 26.4,9.85 26.4,12.3 27,12.3
N1495915 on BOTTOM (solid shape): 57.2,16.7 56.7,16.7 56.7,15.5 56.64,15.36 56.5,15.3 54.1,15.3 53.96,15.36 53.9,15.5 53.9,17.3 57.2,17.3
N1504040 on BOTTOM (solid shape): 55,9.9 56.5,9.9 56.5,9 52.9,9 52.9,10.9 55,10.9
N1521862 on BOTTOM (solid shape): 47.5,9.5 46.8,9.5 45.14,7.84 44.98,7.74 44.8,7.7 42.4,7.7 42.4,8.3 44.3,8.3 44.48,8.34 44.64,8.44 45.16,8.96 45.26,9.12 45.3,9.3 45.3,10.4 47.5,10.4
N1521910 on BOTTOM (solid shape): 37.77,9.2 37.95,9.16 38.11,9.06 38.73,8.44 38.88,8.34 39.07,8.3 40.95,8.3 40.95,7.65 40.54,7.24 40.44,7.08 40.4,6.9 40.4,6 39.8,6 39.8,6.8 39.64,6.96 39.48,7.06 39.3,7.1 38.1,7.1 38.1,8.02 38.06,8.21 37.96,8.36 37.86,8.46 37.71,8.56 37.52,8.6 36.3,8.6 36.15,8.54 36.09,8.4 36.09,7.31 35.3,7.31 35.3,9.2
N1521958 on BOTTOM (solid shape): 43.8,11.4 42.1,11.4 41.92,11.36 41.76,11.26 41.09,10.59 40.99,10.43 40.95,10.25 40.95,9.6 39.75,9.6 39.75,10.65 39.79,10.83 39.89,10.99 40.06,11.16 40.16,11.32 40.2,11.5 40.2,12.02 43.8,12.02
N1528387 on TOP (solid shape): 55.6,26.1 54.5,26.1 54.32,26.06 54.16,25.96 52.24,24.04 52.08,23.94 51.9,23.9 50.5,23.9 50.5,24.5 51.9,24.5 52.08,24.54 52.24,24.64 53.26,25.66 53.36,25.82 53.4,26 53.4,27.2 55.6,27.2
N1528431 on TOP (solid shape): 50.3,26.1 51.7,26.1 51.7,25.2 49.3,25.2 49.1,25 49.1,23.9 47.9,23.9 47.76,23.96 47.7,24.1 47.7,26.2 50.2,26.2
N3334944 on BOTTOM (solid shape): 68.5,23.4 67.8,23.4 67.8,21.6 67,21.6 67,22.5 67.1,22.6 67.1,24.9 68.5,24.9
N3335081 on BOTTOM (solid shape): 73.8,24.8 72.45,24.8 72.22,24.75 72.02,24.62 71.88,24.48 71.68,24.35 71.45,24.3 70.5,24.3 70.5,23.4 69.5,23.4 69.5,24.9 71.15,24.9 71.38,24.95 71.58,25.08 71.92,25.42 72.12,25.55 72.35,25.6 73.8,25.6
GND on BOTTOM (solid shape): 21.09,4.65 21.23,4.59 21.29,4.45 21.29,2.75 21.23,2.61 21.09,2.55 19.25,2.55 19.11,2.61 19.05,2.75 19.05,4.45 19.11,4.59 19.25,4.65
GND on BOTTOM (solid shape): 29.85,4.65 29.99,4.59 30.05,4.45 30.05,2.75 29.99,2.61 29.85,2.55 28,2.55 27.86,2.61 27.8,2.75 27.8,4.45 27.86,4.59 28,4.65
GND on BOTTOM (solid shape): 38.94,9.67 39.13,9.63 39.28,9.53 39.49,9.32 39.57,9.27 39.66,9.25 40.95,9.25 40.95,8.65 39.27,8.65 39.09,8.69 38.93,8.79 38.49,9.24 38.43,9.38 38.49,9.52 38.49,9.53 38.65,9.63 38.83,9.67
GND on BOTTOM (solid shape): 73.85,24.1 74.03,24.03 74.1,23.85 74.1,23.45 74.03,23.27 73.85,23.2 72.95,23.2 72.72,23.15 72.52,23.02 71.78,22.28 71.58,22.15 71.35,22.1 70.65,22.1 70.47,22.03 70.4,21.85 70.4,21.2 69.5,21.2 69.5,22.45 69.57,22.63 69.75,22.7 71.05,22.7 71.28,22.75 71.48,22.88 71.92,23.32 72.05,23.52 72.1,23.75 72.1,23.85 72.17,24.03 72.35,24.1
P1V2 on BOTTOM (solid shape): 57.6,6.8 57.74,6.74 57.8,6.6 57.8,5.1 57.74,4.96 57.6,4.9 56.4,4.9 56.4,6.6 56.46,6.74 56.6,6.8
P1V8ADJ_PRE on TOP (solid shape): 58.3,23.6 58.44,23.54 58.5,23.4 58.5,22 58.44,21.86 58.3,21.8 53.4,21.8 53.4,23.4 53.46,23.54 53.6,23.6
P1V80 on BOTTOM (solid shape): 57.3,14.9 57.44,14.84 57.5,14.7 57.5,14.6 57.46,14.42 57.36,14.26 56.84,13.74 56.74,13.58 56.7,13.4 56.7,12.7 55.7,12.7 55.7,14.7 55.76,14.84 55.9,14.9
P2V8 on BOTTOM (solid shape): 57.8,19.1 57.94,19.04 58,18.9 58,17.9 57.94,17.76 57.8,17.7 56.4,17.7 56.4,18.9 56.46,19.04 56.6,19.1
P2V9ADJ on TOP (solid shape): 58.5,26.2 58.64,26.14 58.7,26 58.7,24.2 58.64,24.06 58.5,24 57.5,24 57.5,24.6 57.64,24.66 57.7,24.8 57.7,26 57.76,26.14 57.9,26.2
P5V0 on TOP (solid shape): 48.4,27.7 48.54,27.64 48.6,27.5 48.6,26.6 46.5,26.6 46.36,26.66 46.3,26.8 46.3,27.5 46.36,27.64 46.5,27.7
P5033_PRE on TOP (solid shape): 48.1,6 48.31,5.91 48.4,5.7 48.4,2.4 46.8,2.4 46.8,5.7 46.89,5.91 47.1,6
VCAP on BOTTOM (solid shape): 26.6,16.3 26.67,16.27 26.7,16.2 26.7,15.6 26.67,15.53 26.6,15.5 24.1,15.5 24.1,16.3
VCAP on BOTTOM (solid shape): 25.8,13.9 25.89,13.88 25.97,13.83 26.23,13.57 26.31,13.52 26.4,13.5 26.8,13.5 26.87,13.47 26.9,13.4 26.9,13 26.87,12.93 26.8,12.9 24.7,12.9 24.7,13.8 24.73,13.87 24.8,13.9
N1495915 on TOP (solid shape): 56.4,17.1 56.61,17.01 56.7,16.8 56.7,15.6 56.61,15.39 56.4,15.3 53.4,15.3 53.4,16.5 55.3,16.5 55.51,16.59 55.69,17.01 55.9,17.1
N1504040 on TOP (solid shape): 55.4,11.3 55.61,11.21 55.7,11 55.7,9.1 55.64,8.96 55.5,8.9 53.3,8.9 53.09,8.99 53,9.2 53,11 53.09,11.21 53.3,11.3
N1511469 on TOP (solid shape): 57,3.7 57.14,3.64 57.2,3.5 57.2,2.7 57.14,2.56 57,2.5 53.6,2.5 53.46,2.56 53.4,2.7 53.4,3.7
N1511469 on BOTTOM (solid shape): 57.2,2.7 57.14,2.56 57,2.5 54.1,2.5 53.96,2.56 53.9,2.7 53.9,4.5 57.2,4.5

Small or netless copper shapes (teardrops, artwork), in the pictures only: 1 on BOTTOM

## Text on the board
Ref Des/Silkscreen Bottom: LDO22 | G | 2VDC | P5V0 | WARNING NO POLARITY PROTECTION
User.Comments: 8 LAYERS PCB STACK, 1.6mm THINKNESS. | ANY QUESTIONS PLEASE CONTACT ME: +8613522296239 | OVC/P | DONE | INIT | J3 | TP1 | TP3 | F1 | C15 | R3 | D7 | C50 | C13 | R36 | R2 | R1 | R35 | C14 | C51 | U5 | R4 | U6 | R41 | C55 | J1 | Y1 | U9 | R56 | U7 | R54 | TP4 | R53 | TP2 | R48 | U1 | C11 | C3 | C4 | U2 | SW1 | U4 | R28 | C7 | C1 | Y4 | R32 | U3 | C30 | Y3 | R89 | R90 | C31 | R30 | C34 | C19 | R16 | R17 | C26 | C48 | C29 | C8 | J5 | C65 | U8 | C2 | C38 | C43 | C56 | Y2 | C44 | R20 | R22 | FB2 | C40 | R25 | R27 | FB3 | C41 | R33 | C37 | J4 | J2 | R59 | Q1 | R5 | Q2 | C28 | C33 | C39 | C42 | R34 | R31 | R26 | R23 | R60 | R40 | R46 | R8 | C52 | C61 | C20 | R19 | R58 | R57 | R18 | C62 | C21 | C53 | C16 | R47 | C63 | R9 | C64 | R55 | C59 | R51 | C57 | R52 | C10 | C66 | C146 | C9 | C12 | C60 | C54 | R11 | R38 | C49 | R12 | R13 | R14 | R15 | R37 | C22 | C18 | FB1 | C27 | C24 | R24 | C23 | R29 | R42 | R21 | R10 | C25 | C32 | C36 | C17 | C46 | C89 | R43 | C45 | R44 | R45 | R6 | C35 | R7 | R49 | C139 | R39 | C47 | POF-DPU-POE-A1 SEP2225
Ref Des/Silkscreen Top: N1 | P1 | P2 | N2 | WARNING NO POLARITY PROTECTION | MPPC:2.2V | FRONT PANEL LED | MUST CONNECT 2-CHANNELS TO ENABLE POWER MANAGEMENT CIRCUIT | PHOTOVOLTAIC CELL | ENERGY HARVESTER | GLPP2024 | POF-PSU-HIROSE | PCB SIZE:90MMX30MM | SEP125 | THIS SIDE UP
XSECTION_CHART: *  SURFACE - AIR 0 MM | L1 TOP CONDUCTOR - COPPER 0.035 MM | *  DIELECTRIC - FR-4 0.0994 MM | L2 GND CONDUCTOR - COPPER 0.0152 MM | *  DIELECTRIC - FR-4 0.55 MM | L3 SIG1 CONDUCTOR - COPPER 0.0152 MM | *  DIELECTRIC - FR-4 0.1088 MM | L4 VCC CONDUCTOR - COPPER 0.0152 MM | L5 GND2 CONDUCTOR - COPPER 0.0152 MM | L6 BOTTOM CONDUCTOR - COPPER 0.035 MM | DESIGN CROSS SECTION CHART | ___________________________ | TOTAL THICKNESS 1.5384 MM | STACKUP TABLE | Unit = Millimeter | # | 1 | 2 | 3 | 4 | 5 | 6 | NAME | TOP | GND | SIG1 | VCC | GND2 | BOTTOM | TYPE | SURFACE | CONDUCTOR | DIELECTRIC | MATERIAL | AIR | COPPER | FR-4 | TOTAL THICKNESS | THICKNESS | 0 | 0.035 | 0.0994 | 0.0152 | 0.55 | 0.1088 | 1.5384 | TOLERANCE | +0/-0 | 1-6
DIMENSION: 6LAYERS PCB STACK, 1.2mm THINKNESS, NO IMPEDANCE MATCH DEMAND. | ANY QUESTIONS PLEASE CONTACT ME: +8613522296239
NCLEGEND-1-6: FIGURE | FINISHED_SIZE | 0.15 | 0.2 | 0.8 | 0.9 | 1.2 | 1.8 | 2.2 | DRILL CHART: TOP to BOTTOM | ALL UNITS ARE IN MILLIMETERS | PLATED | NON-PLATED | QTY | 59 | 326 | 2 | 6 | 4 | 8
